# Allegro board FH8858v310_app_board_v1.1.brd (continued)
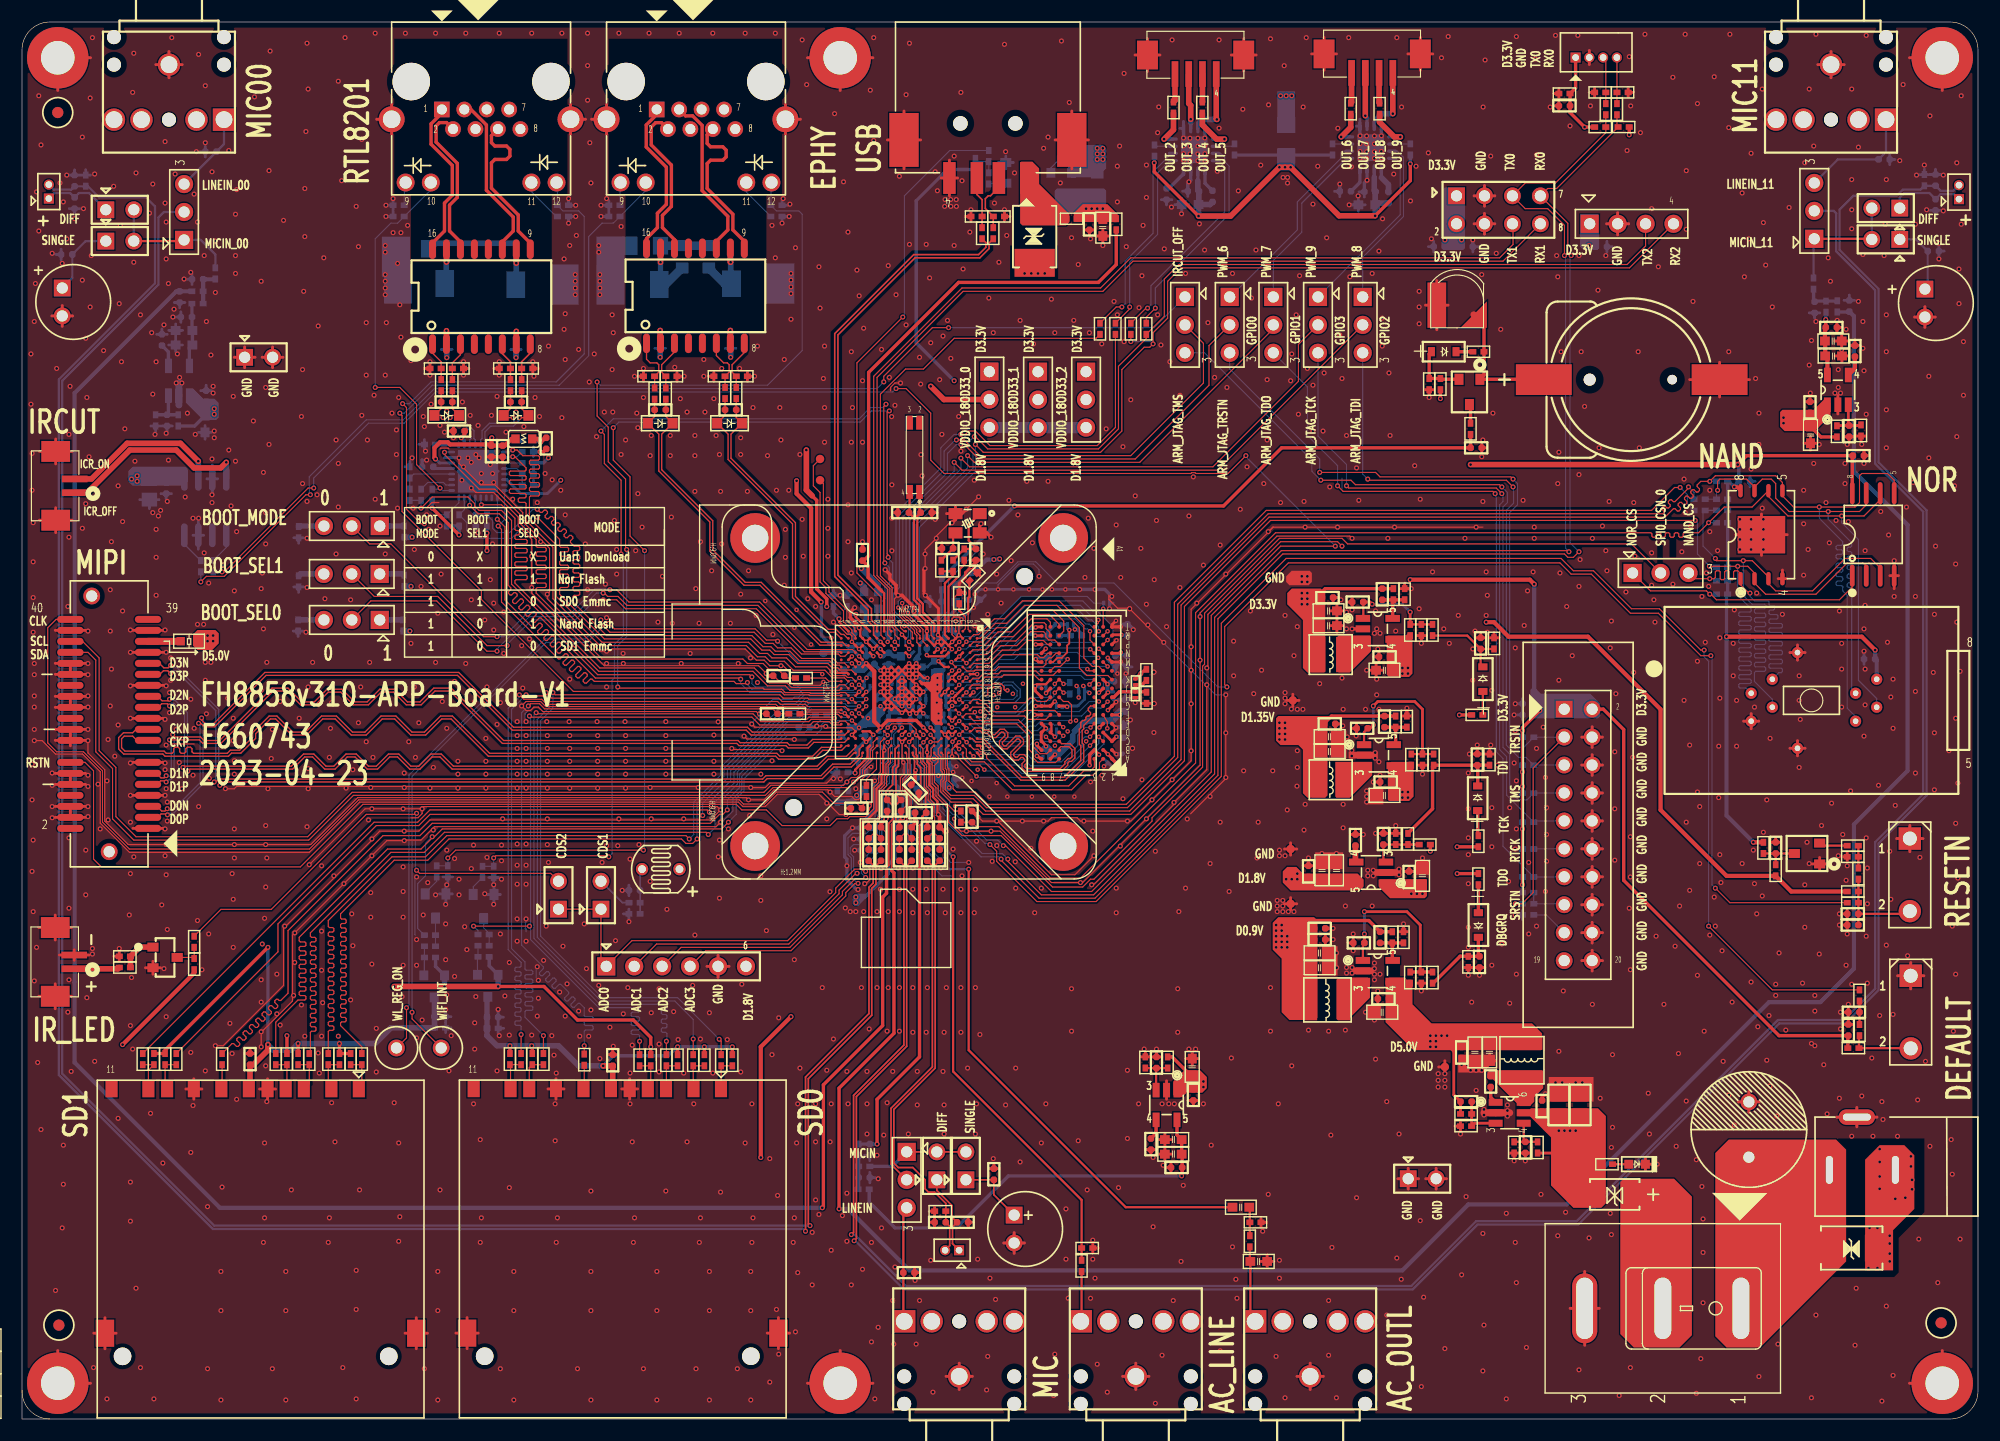
[diagram p0: board, top side]
## Routing (per net, layer and track width the routed paths; a pad name or vN(x,y) marks a point on that pad's centre or on a via; arc(x,y) is an arc through that point) (continued)
HOLD: length 40.9
  TOP w0.102: 157.48,84.73 157.48,84.74 158.19,85.45 159,85.45 159.41,85.04 159.41,83.72 160.63,82.5 v2(164.19,82.5) 167.03,82.5 167.64,83.11 U9.7 ; 157.48,84.73 156.77,85.45 154.33,85.45 154.13,85.24 v2(154.13,84.43) ; 157.48,84.73 U10.7
  BOTTOM w0.102: v2(154.13,84.43) 154.03,84.33 R54.1 R51.1 ; v2(164.19,82.5) 164.19,81.79 166.32,79.65 166.32,79.36 166.22,79.26 166.01,79.26 165.91,79.16 165.91,78.96 166.01,78.85 166.22,78.85 166.32,78.75 166.32,78.55 166.22,78.45 166.01,78.45 165.91,78.35 165.91,78.14 166.01,78.04 166.22,78.04 166.32,77.94 166.32,77.74 166.22,77.64 166.01,77.64 165.91,77.53 165.91,77.33 166.01,77.23 166.22,77.23 166.32,77.13 166.32,76.92 166.22,76.82 166.01,76.82 165.91,76.72 165.91,76.52 166.01,76.42 166.22,76.42 166.32,76.31 166.32,76.11 166.22,76.01 166.01,76.01 165.91,75.91 165.91,75.71 166.01,75.6 166.22,75.6 166.32,75.5 166.32,66.33 U14.7
IR_LED_IN: length 4.1
  TOP w0.508: J13.1 8.73,40.93 R133.2
IRCUT_OFF: length 102.5
  TOP w0.102: v2(16.25,76.1) 16.76,76.61 18.39,76.61 25.81,84.02 v2(26.21,84.02) ; v2(78.33,94.28) 78.33,94.79 82.75,99.21 v2(84.23,99.21)
  BOTTOM w0.102: R144.2 v2(16.25,76.1) ; v2(78.33,94.28) 77.72,93.68 37.49,93.68 34.65,90.83 31.29,90.83 26.11,85.65 26.11,84.12 v2(26.21,84.02) ; JP10.1 102.92,99.21 v2(84.23,99.21)
IRCUT_ON: length 187.1
  TOP w0.102: v2(89.2,52.12) 89.41,52.12 93.57,47.96 97.23,47.96 108.1,58.83 108.1,73.05 114.4,79.35 v2(119.38,79.35) ; U6.G16 v1(82.59,62.2) ; v2(26.52,84.63) 26.01,84.63 18.39,77.02 v2(18.18,77.02) ; v2(111.25,87.58) 109.63,85.95 106.71,85.95 106.63,86.03 106.32,86.03 106.24,85.95 83.82,85.95 82.6,87.17 82.6,91.44 80.37,93.68 v2(79.45,93.68)
  BOTTOM w0.102: v2(89.2,52.12) 88.7,52.63 87.68,52.63 85.04,55.27 84.73,55.27 84.33,55.68 84.33,56.18 82.8,57.71 82.8,59.39 82.45,59.74 82.45,60.25 82.63,60.43 82.63,61.05 82.94,61.37 82.94,61.74 82.59,62.09 v1(82.59,62.2) ; v2(119.38,79.35) 111.25,87.48 v2(111.25,87.58) ; v2(26.52,84.63) 26.52,85.55 31.5,90.53 34.75,90.53 37.59,93.37 79.15,93.37 v2(79.45,93.68) ; R145.2 v2(18.18,77.02)
IRCUT_OUT_OFF: length 17.8
  TOP w0.508: J15.1 5.93,84.21 9.8,88.09 14.02,88.09 15.65,86.46 18.06,86.46 v2(18.57,86.97)
  BOTTOM w0.508: v2(18.57,86.97) U19.4
IRCUT_OUT_ON: length 14.8
  TOP w0.508: J15.2 6.31,85.46 9.55,88.7 14.4,88.7 v2(16.03,87.07)
  BOTTOM w0.508: v2(16.03,87.07) U19.2
JTAG_RTCK: length 2.8
  BOTTOM w0.102: U18.11 137.43,51.83 R139.1
JTAG_SRSTN: length 3.8
  BOTTOM w0.102: R141.1 R143.2 140.1,46.84 U18.15
LDO_MICBIAS: length 37.8
  TOP w0.305: U11.5 104.99,25.82 C110.1 C111.1 105.46,24.03 C112.1 105.46,22.15 v2(105.41,22.1)
  BOTTOM w0.305: R103.2 77.01,19.71 79.35,17.37 84.94,17.37 89.66,22.1 v2(105.41,22.1)
LDO_MICBIAS_00: length 5.8
  BOTTOM w0.305: R115.2 15.45,100.19 C138.1 15.45,99 C136.1 C137.1 15.21,97.36 U13.5
LDO_MICBIAS_11: length 5.8
  TOP w0.305: C125.1 v2(163.96,99.95)
  TOP w0.381: C125.1 163.89,99.16 C124.1 163.91,97.98 C123.1 164.11,96.44 U12.5
  BOTTOM w0.305: v2(163.96,99.95) 163.96,100.59 R109.2
LED0_AD0: length 52.1
  TOP w0.102: v2(34.59,92.3) 34.95,91.95 34.95,82.7 36.27,81.38 v2(36.58,81.38)
  BOTTOM w0.102: v2(36.58,81.38) 37.39,82.19 R197.2 39.7,83.29 U25.24 ; v2(34.59,92.3) 35.2,92.3 37.19,94.28 48.56,94.28 51.1,96.82 51.1,109.32 50.6,109.83 49.17,109.83 D30.K 48.67,112.33 J18.12
LED1_AD1: length 35.9
  TOP w0.102: v2(38,84.63) 35.86,86.77 35.86,92.25 34.34,93.78 v2(32.11,93.78)
  BOTTOM w0.102: v2(32.11,93.78) 32.11,107.29 33.53,108.71 34.14,108.71 D31.K 37.16,111.74 J18.10 ; R198.2 37.89,84.53 v2(38,84.63) 38.22,84.41 U25.25
MAC_MDC: length 53.6
  TOP w0.102: U6.U8 v1(76.11,67.37) ; v2(40.69,83.06) 41.45,82.3 43.38,82.3 44.2,81.48 44.2,75.79 44.43,75.56 44.43,75.41 44.22,75.2 44.22,75.06 44.36,74.91 44.51,74.91 44.72,75.13 44.86,75.13 45.01,74.98 45.01,74.84 44.59,74.42 44.59,74.28 44.74,74.14 44.88,74.14 45.3,74.55 45.44,74.55 45.58,74.41 45.58,74.26 45.17,73.85 45.17,73.7 45.31,73.56 45.46,73.56 45.87,73.98 46.01,73.98 46.16,73.83 46.16,73.69 45.74,73.27 45.74,73.13 45.89,72.99 46.03,72.99 46.45,73.4 46.59,73.4 46.73,73.26 46.73,73.11 46.32,72.7 46.32,72.55 46.46,72.41 46.61,72.41 47.02,72.83 47.16,72.83 52.32,67.67 66.14,67.67 v2(66.34,67.46)
  BOTTOM w0.102: v2(66.34,67.46) 66.34,66.85 66.65,66.55 70.51,66.55 70.61,66.65 74.78,66.65 75.29,67.16 75.9,67.16 v1(76.11,67.37) ; U25.22 40.7,83.07 v2(40.69,83.06)
MAC_MDIO: length 55.7
  TOP w0.102: v2(46.84,81.99) 48.87,79.96 48.87,79.35 48.97,79.25 49.58,79.25 49.68,79.15 49.68,78.94 49.58,78.84 48.97,78.84 48.87,78.74 48.87,78.54 48.97,78.44 49.58,78.44 49.68,78.33 49.68,78.13 49.58,78.03 48.97,78.03 48.87,77.93 48.87,77.72 48.97,77.62 49.58,77.62 49.68,77.52 49.68,77.32 49.58,77.22 48.97,77.22 48.87,77.12 48.87,76.91 48.97,76.81 49.58,76.81 49.68,76.71 49.68,76.51 49.58,76.4 48.97,76.4 48.87,76.3 48.87,76.1 48.97,76 49.58,76 49.68,75.9 49.68,75.69 49.58,75.59 48.97,75.59 48.87,75.49 48.87,74.98 52.93,70.92 66.24,70.92 67.26,69.9 67.97,69.9 68.38,69.49 69.7,69.49 70.51,68.68 73.25,68.68 73.65,68.29 74.15,68.29 74.35,68.09 75.4,68.09 U6.V7
  BOTTOM w0.102: U25.23 40.2,82.67 R190.2 40.44,81.48 40.44,80.77 41.14,80.06 44.5,80.06 46.43,81.99 v2(46.84,81.99)
MAC_REF_CLK: length 52.5
  TOP w0.102: R205.2 69.49,67.36 C179.2 68.68,68.17 67.87,68.17 67.36,68.68 65.94,68.68 65.53,69.09 52.73,69.09 46.74,75.08 46.74,75.49 46.84,75.59 47.55,75.59 47.65,75.69 47.65,75.89 47.55,75.99 46.84,75.99 46.74,76.1 46.74,76.3 46.84,76.4 47.55,76.4 47.65,76.5 47.65,76.7 47.55,76.81 46.84,76.81 46.74,76.91 46.74,77.11 46.84,77.21 47.55,77.21 47.65,77.31 47.65,77.52 47.55,77.62 46.84,77.62 46.74,77.72 46.74,77.92 46.84,78.03 47.55,78.03 47.65,78.13 47.65,78.33 47.55,78.43 46.84,78.43 46.74,78.53 46.74,78.74 46.84,78.84 47.55,78.84 47.65,78.94 47.65,79.14 47.55,79.24 46.84,79.24 46.74,79.35 46.74,79.96 45.31,81.38 45.31,82.19 42.98,84.53 41.55,84.53 38.4,87.68 v2(38.4,87.88)
  BOTTOM w0.102: v2(38.4,87.88) 38.43,87.91 U25.32
MAC_RMII_RXDV: length 2.6
  BOTTOM w0.102: R196.2 43.34,88.95 43.2,88.82 U25.8
MAC_RX_ER: length 5
  BOTTOM w0.102: R194.2 35.25,84.53 R193.2 35.61,85.91 U25.28
MAC_RXD0: length 54.9
  TOP w0.102: U6.V8 75.42,67.41 75.03,67.41 74.86,67.58 73.77,67.58 73.46,67.89 73.46,68.07 73.15,68.38 70.31,68.38 69.49,69.19 68.17,69.19 67.77,69.6 67.06,69.6 66.04,70.61 52.73,70.61 48.56,74.78 48.56,79.45 46.13,81.89 46.13,83.81 46.23,83.91 46.94,83.91 47.04,84.02 47.04,84.22 46.94,84.32 46.23,84.32 46.13,84.42 46.13,84.63 46.23,84.73 46.94,84.73 47.04,84.83 47.04,85.03 46.94,85.13 46.23,85.13 46.13,85.24 46.13,85.44 46.23,85.54 46.94,85.54 47.04,85.64 47.04,85.84 46.94,85.95 46.23,85.95 46.13,86.05 46.13,86.25 46.23,86.35 46.94,86.35 47.04,86.45 47.04,86.66 46.94,86.76 46.23,86.76 46.13,86.86 46.13,87.06 46.23,87.17 46.94,87.17 47.04,87.27 47.04,87.47 46.94,87.57 45.52,87.57 45.01,88.09 v2(44.6,88.09)
  BOTTOM w0.102: v2(44.6,88.09) 44.5,88.09 44.32,87.91 U25.9
MAC_RXD1: length 56
  TOP w0.102: v2(44.6,87.48) 44.81,87.48 45.82,86.46 45.82,86.28 45.72,86.18 44.4,86.18 44.3,86.07 44.3,85.87 44.4,85.77 45.72,85.77 45.82,85.67 45.82,85.46 45.72,85.36 44.4,85.36 44.3,85.26 44.3,85.06 44.4,84.96 45.72,84.96 45.82,84.85 45.82,84.65 45.72,84.55 44.4,84.55 44.3,84.45 44.3,84.24 44.4,84.14 45.72,84.14 45.82,84.04 45.82,83.84 45.72,83.74 45.21,83.74 45.11,83.64 45.11,83.43 45.21,83.33 45.72,83.33 45.82,83.23 45.82,81.69 48.26,79.25 48.26,74.57 52.53,70.31 65.84,70.31 66.85,69.29 67.56,69.29 67.97,68.88 69.29,68.88 70.1,68.07 72.99,68.07 73.68,67.38 74.76,67.38 75.07,67.07 U6.W8
  BOTTOM w0.102: R192.2 45.01,87.48 v2(44.6,87.48) 44.3,87.48 44.23,87.41 U25.10
MAC_RXDV: length 51.2
  TOP w0.102: U6.Y9 74.3,66.24 69.8,66.24 69.39,66.65 67.77,66.65 66.45,67.97 52.43,67.97 44.5,75.9 44.5,81.69 43.59,82.6 41.55,82.6 41.15,83.01 41.15,83.21 40.54,83.82 37.29,83.82 v2(36.27,82.8)
  BOTTOM w0.102: v2(36.27,82.8) 36.27,83.51 R195.1 R194.1
MAC_TXD0: length 52.5
  TOP w0.102: v2(65.94,66.95) 65.84,66.85 64.92,66.85 64.72,67.06 52.02,67.06 51.81,67.26 51.67,67.26 51.3,66.9 51.16,66.9 51.02,67.04 51.02,67.19 51.38,67.55 51.38,67.7 51.24,67.84 51.09,67.84 50.63,67.37 50.48,67.37 50.34,67.52 50.34,67.66 50.81,68.13 50.81,68.27 50.66,68.41 50.52,68.41 50.05,67.95 49.91,67.95 49.76,68.09 49.76,68.24 50.23,68.7 50.23,68.85 50.09,68.99 49.94,68.99 49.48,68.52 49.33,68.52 49.19,68.67 49.19,68.81 49.65,69.28 49.65,69.42 49.51,69.56 49.37,69.56 48.9,69.1 48.76,69.1 43.59,74.27 43.59,80.87 v2(43.28,81.18) ; v1(75.44,66.75) 75.44,66.75 U6.V9
  BOTTOM w0.102: v2(43.28,81.18) 43.85,81.75 U25.16 ; v2(65.94,66.95) 65.94,66.75 66.34,66.34 70.61,66.34 70.71,66.45 75.13,66.45 v1(75.44,66.75)
MAC_TXD1: length 52
  TOP w0.102: v2(43.2,81.79) 43.21,81.79 43.89,81.11 43.89,74.47 46.44,71.92 46.58,71.92 47,72.34 47.14,72.34 47.29,72.2 47.29,72.05 46.87,71.64 46.87,71.49 47.01,71.35 47.16,71.35 47.57,71.76 47.72,71.76 47.86,71.62 47.86,71.48 47.45,71.06 47.45,70.92 47.59,70.77 47.73,70.77 48.15,71.19 48.29,71.19 48.44,71.05 48.44,70.9 48.02,70.49 48.02,70.34 48.16,70.2 48.31,70.2 48.72,70.61 48.87,70.61 49.01,70.47 49.01,70.33 48.6,69.91 48.6,69.77 48.74,69.62 48.88,69.62 49.3,70.04 49.44,70.04 52.12,67.36 65.23,67.36 v2(65.33,67.26) ; U6.U9 v1(76.09,66.75)
  BOTTOM w0.102: v2(43.2,81.79) U25.17 ; v1(76.09,66.75) 75.58,66.24 70.92,66.24 70.71,66.04 66.14,66.04 65.33,66.85 v2(65.33,67.26)
MAC_TXEN: length 55.2
  TOP w0.102: v2(41.76,83.11) 43.59,83.11 44.81,81.89 44.81,80.87 44.91,80.77 45.11,80.77 45.21,80.67 45.21,80.47 45.11,80.37 44.91,80.37 44.81,80.26 44.81,80.06 44.91,79.96 45.82,79.96 45.92,79.86 45.92,79.65 45.82,79.55 44.91,79.55 44.81,79.45 44.81,79.25 44.91,79.15 45.82,79.15 45.92,79.04 45.92,78.84 45.82,78.74 44.91,78.74 44.81,78.64 44.81,78.44 44.91,78.33 45.82,78.33 45.92,78.23 45.92,78.03 45.82,77.93 44.91,77.93 44.81,77.83 44.81,77.62 44.91,77.52 45.82,77.52 45.92,77.42 45.92,77.22 45.82,77.11 44.91,77.11 44.81,77.01 44.81,76.81 44.91,76.71 45.82,76.71 45.92,76.61 45.92,76.4 45.82,76.3 44.91,76.3 44.81,76.2 44.81,76 52.53,68.28 66.57,68.28 67.93,66.91 69.54,66.91 69.95,66.5 74.05,66.5 74.3,66.75 74.78,66.75 U6.W9
  BOTTOM w0.102: U25.20 41.7,83.16 v2(41.76,83.11)
MDI_RN: length 8.4
  TOP w0.114: v2(45.21,91.03) 45.83,91.03 D34.K 45.42,91.85 C198.2 45.42,92.46 R187.2
  BOTTOM w0.114: v2(45.21,91.03) 45.21,90.8 44.67,90.26 42.61,90.26 42.09,89.74 42.09,89.13 42.2,89.02 U25.6
MDI_RP: length 8.5
  TOP w0.114: R185.2 44.4,92.46 C198.1 44.4,91.85 D34.A 43.99,91.03 v2(44.65,91.03)
  BOTTOM w0.114: U25.5 41.7,89.02 41.82,89.13 41.82,89.85 42.5,90.53 44.56,90.53 44.76,90.73 44.76,90.92 v2(44.65,91.03)
MDI_TN: length 7.8
  TOP w0.114: v2(38.92,91.04) 39.12,91.24 D11.K 39.12,91.85 C197.2 39.12,92.46 R184.2
  BOTTOM w0.114: v2(38.92,91.04) 38.76,90.88 38.76,90.68 38.9,90.54 40.39,90.54 41.09,89.85 41.09,89.13 41.2,89.02 U25.4
MDI_TP: length 7.8
  TOP w0.114: v2(38.27,91.04) 38.07,91.24 D11.A 38.1,91.85 C197.1 38.1,92.46 R182.2
  BOTTOM w0.114: U25.3 40.7,89.02 40.82,89.13 40.82,89.74 40.28,90.27 38.79,90.27 38.47,90.59 38.47,90.84 v2(38.27,91.04)
MIPI_CKN: length 77.9
  TOP w0.114: J3.19 10.37,62.7 10.06,62.38 9.22,62.38 8.78,61.95 8.78,60.91 8.94,60.76 9.25,60.45 12.8,60.45 13,60.25 18.77,60.25 19.05,60.53 19.89,60.53 21.23,61.87 21.23,62.3 22.58,63.64 23.06,63.64 24.52,62.18 25.87,62.18 27.33,63.64 28.47,63.64 29.93,62.18 31.28,62.18 32.74,63.64 33.88,63.64 35.34,62.18 36.69,62.18 38.15,63.64 39.01,63.64 42.4,60.25 68.51,60.25 68.77,59.98 71.97,59.98 72.78,60.79 74.51,60.79 74.93,61.22 U6.W17
MIPI_CKP: length 77.9
  TOP w0.114: J3.17 10.44,61.7 10.06,62.08 9.29,62.08 9.05,61.84 9.05,61.02 9.36,60.72 12.91,60.72 13.12,60.52 13.64,60.52 13.78,60.66 13.78,60.93 13.92,61.07 14.2,61.07 14.34,60.93 14.34,60.66 14.48,60.52 14.75,60.52 14.89,60.66 14.89,60.93 15.03,61.07 15.31,61.07 15.45,60.93 15.45,60.66 15.59,60.52 18.66,60.52 18.94,60.8 19.78,60.8 20.97,61.98 20.97,62.41 22.47,63.91 23.17,63.91 24.63,62.45 25.76,62.45 27.22,63.91 28.58,63.91 30.04,62.45 31.17,62.45 32.63,63.91 33.99,63.91 35.45,62.45 36.58,62.45 38.04,63.91 39.12,63.91 42.51,60.52 68.62,60.52 68.89,60.25 71.86,60.25 72.67,61.06 74.4,61.06 74.47,61.13 U6.Y17
MIPI_D0N: length 75.1
  TOP w0.114: J3.5 12.28,55.7 12.7,55.27 12.99,55.27 v2(13.2,55.48) ; U6.W15 74.78,62.18 66.27,62.18 65.83,62.62 44.56,62.62 39.59,67.6 22.19,67.6 17.51,62.93 16.56,62.93 16.24,63.25 v2(16.05,63.25)
  BOTTOM w0.114: v2(16.05,63.25) 16.19,63.11 16.19,57.84 13.68,55.33 13.36,55.33 13.21,55.48 v2(13.2,55.48)
MIPI_D0P: length 75.1
  TOP w0.114: J3.3 12.33,54.7 12.64,55 13.14,55 v2(13.22,54.92) ; U6.Y15 74.4,62.45 66.38,62.45 65.94,62.89 44.67,62.89 39.7,67.87 22.08,67.87 17.4,63.2 16.67,63.2 16.32,63.54 v2(16.32,63.73)
  BOTTOM w0.114: v2(16.32,63.73) 16.32,63.64 16.45,63.51 16.45,63.35 16.45,57.73 13.79,55.07 13.36,55.07 13.22,54.93 v2(13.22,54.92)
MIPI_D1N: length 74.9
  TOP w0.114: v2(13.41,61.74) 16.12,61.74 16.44,61.42 18.08,61.42 22.84,66.18 24.07,66.18 25.33,64.92 26.68,64.92 27.84,66.08 28.97,66.08 30.13,64.92 31.48,64.92 32.64,66.08 33.77,66.08 34.93,64.92 36.28,64.92 37.54,66.18 38.9,66.18 43.67,61.42 64.97,61.42 65.18,61.21 69.44,61.21 69.65,61.01 71.47,61.01 71.98,61.51 74.77,61.51 U6.W16 ; v2(13.11,58.48) 12.91,58.28 12.63,58.28 12.22,58.7 J3.11
  BOTTOM w0.114: v2(13.11,58.48) 13.18,58.41 13.38,58.41 13.56,58.59 13.56,61.58 v2(13.41,61.74)
MIPI_D1P: length 74.9
  TOP w0.114: v2(13.11,57.91) 13,58.02 12.6,58.02 12.28,57.7 J3.9 ; U6.Y16 74.39,61.78 71.87,61.78 71.36,61.27 69.76,61.27 69.55,61.48 65.29,61.48 65.08,61.68 43.78,61.68 39.01,66.45 37.43,66.45 36.17,65.19 35.04,65.19 33.88,66.34 32.53,66.34 31.37,65.19 30.24,65.19 29.08,66.34 27.73,66.34 26.57,65.19 25.44,65.19 24.18,66.45 22.73,66.45 17.96,61.68 16.55,61.68 16.23,62 13.9,62 13.7,62.2 v2(13.7,62.22)
  BOTTOM w0.114: v2(13.11,57.91) 13.11,57.92 13.3,58.11 13.52,58.11 13.83,58.42 13.83,62.07 13.7,62.2 v2(13.7,62.22)
MIPI_D2N: length 74.7
  TOP w0.114: J3.25 12.33,65.7 12.74,65.29 13.27,65.29 v2(13.41,65.43) ; U6.V18 75.64,60.57 75.06,59.98 73.29,59.98 72.39,59.08 39.1,59.08 38,60.19 37.28,60.19 36.18,59.08 35.24,59.08 34.14,60.19 33.42,60.19 32.32,59.08 31.38,59.08 30.28,60.19 29.56,60.19 28.46,59.08 27.52,59.08 26.42,60.19 25.7,60.19 24.6,59.08 15.26,59.08 v2(15.08,58.9)
  BOTTOM w0.114: v2(15.08,58.9) 15.04,58.94 15.04,64.21 13.92,65.33 13.51,65.33 v2(13.41,65.43)
MIPI_D2P: length 74.7
  TOP w0.114: v2(13.41,64.82) 13.21,65.02 12.7,65.02 12.37,64.7 J3.23 ; U6.V17 75.77,61.07 74.95,60.25 73.18,60.25 72.28,59.35 39.21,59.35 38.11,60.45 37.17,60.45 36.07,59.35 35.35,59.35 34.25,60.45 33.31,60.45 32.21,59.35 31.49,59.35 30.39,60.45 29.45,60.45 28.35,59.35 27.63,59.35 26.53,60.45 25.59,60.45 24.49,59.35 14.74,59.35 v2(14.63,59.23)
  BOTTOM w0.114: v2(13.41,64.82) 13.41,64.87 13.6,65.06 13.81,65.06 14.77,64.1 14.77,59.37 v2(14.63,59.23)
MIPI_D3N: length 75.2
  TOP w0.114: v2(17.98,57.61) 17.98,57.71 18.19,57.91 67.43,57.91 67.74,58.22 72.75,58.22 73.8,59.27 75.4,59.27 76.37,60.24 76.37,60.51 U6.U18 ; v2(13.51,68.52) 13.28,68.29 12.89,68.29 12.48,68.7 J3.31
  BOTTOM w0.114: v2(13.51,68.52) 13.73,68.3 14.09,68.3 17.88,64.52 17.88,57.71 v2(17.98,57.61)
MIPI_D3P: length 75.2
  TOP w0.114: U6.U17 76.1,60.89 76.1,60.35 75.29,59.54 73.69,59.54 72.64,58.48 67.63,58.48 67.32,58.18 18.05,58.18 17.88,58.01 17.57,58.01 v2(17.48,57.91) ; J3.29 12.53,67.7 12.85,68.02 13.25,68.02 v2(13.51,67.76)
  BOTTOM w0.114: v2(17.48,57.91) 17.61,58.05 17.61,64.41 13.98,68.04 13.79,68.04 v2(13.51,67.76)
MIPI_D5.0V: length 3
  TOP w0.635: R50.2 14.41,70.7 J3.35
MOTO_OUT_2: length 3.5
  TOP w0.508: v2(103.81,116.35) 104.67,117.21 R150.1
  BOTTOM w0.305: U26.16 v2(103.81,116.35)
MOTO_OUT_3: length 5
  TOP w0.508: v2(106.24,118.16) 106.24,119.42 106.05,119.6 J19.2
  BOTTOM w0.305: 106.24,117.86 U26.2
  BOTTOM w0.508: v2(106.24,118.16) 106.24,117.86
MOTO_OUT_4: length 4.4
  TOP w0.508: v2(109.3,116.35) 108.59,116.35 107.29,117.65 R151.1
  BOTTOM w0.305: U26.5 v2(109.3,116.35)
MOTO_OUT_5: length 6.5
  TOP w0.508: J19.4 108.56,118.2 v2(108.61,118.14)
  BOTTOM w0.305: 107.17,118.14 106.89,117.86 U26.3
  BOTTOM w0.508: v2(108.61,118.14) 107.17,118.14
MOTO_OUT_6: length 3.2
  TOP w0.508: R152.1 120.78,117.43 v2(119.91,116.56)
  BOTTOM w0.305: U27.16 v2(119.91,116.56)
MOTO_OUT_7: length 4.9
  TOP w0.508: J20.2 v2(122.11,118.48)
  BOTTOM w0.305: v2(122.11,118.48) 122.27,118.32 U27.2
MOTO_OUT_8: length 3.9
  TOP w0.508: v2(125.29,116.56) 124.74,116.56 123.4,117.9 R153.1
  BOTTOM w0.305: U27.5 v2(125.29,116.56)
MOTO_OUT_9: length 6.1
  TOP w0.508: J20.4 v2(124.61,118.67)
  BOTTOM w0.305: U27.3 122.92,117.94 123.23,118.25
  BOTTOM w0.508: 123.23,118.25 123.65,118.67 v2(124.61,118.67)
NAND_CS: length 35.3
  TOP w0.102: JP14.3 152,76.39 v2(153.42,76.39) 153.81,76.39 153.92,76.5 153.92,77.01 154.03,77.11 154.26,77.11 154.37,77.01 154.37,76.4 154.47,76.3 154.67,76.3 154.77,76.4 154.77,77.01 154.87,77.11 155.08,77.11 155.18,77.01 155.18,76.4 155.28,76.3 155.48,76.3 155.58,76.4 155.58,77.01 155.69,77.11 155.96,77.11 156.21,76.86 U10.1 156.21,75.84 156.97,75.08 v2(157.07,75.08)
  BOTTOM w0.102: U14.1 159.7,67.85 159.92,67.85 160.02,67.95 160.02,68.15 159.92,68.25 158.9,68.25 158.8,68.36 158.8,68.56 158.9,68.66 159.92,68.66 160.02,68.76 160.02,68.97 159.92,69.07 158.9,69.07 158.8,69.17 158.8,69.37 158.9,69.47 159.92,69.47 160.02,69.57 160.02,69.78 159.92,69.88 158.9,69.88 158.8,69.98 158.8,70.18 158.9,70.29 159.92,70.29 160.02,70.39 160.02,70.59 159.92,70.69 158.9,70.69 158.8,70.79 158.8,71 158.9,71.1 159.92,71.1 160.02,71.2 160.02,71.4 159.92,71.51 158.9,71.51 158.8,71.61 158.8,71.81 158.9,71.91 159.92,71.91 160.02,72.01 160.02,72.22 159.92,72.32 158.9,72.32 158.8,72.42 158.8,72.62 158.9,72.72 159.51,72.72 159.61,72.83 159.61,73.03 159.51,73.13 158.9,73.13 158.8,73.23 158.8,73.44 158.9,73.54 159.21,73.54 159.31,73.64 159.31,73.84 159.21,73.94 158.9,73.94 158.8,74.05 158.8,74.27 158.7,74.37 157.48,74.37 157.07,74.78 v2(157.07,75.08) ; v2(153.42,76.39) 153.83,76.39 R59.2
NOR_CS: length 23.1
  TOP w0.102: U9.1 166.37,75.64 165.2,74.47 154.03,74.47 153.52,74.98 v2(153.42,74.98) 153.12,75.29 148.03,75.29 JP14.1
  BOTTOM w0.102: R52.2 v2(153.42,74.98)
PHY_RESET: length 55.5
  TOP w0.102: U6.Y6 74.31,68.53 73.81,68.53 73.41,68.94 70.66,68.94 69.8,69.8 68.48,69.8 68.07,70.21 67.36,70.21 66.34,71.22 53.14,71.22 50.09,74.27 50.09,74.78 50.19,74.88 50.6,74.88 50.7,74.98 50.7,75.18 50.6,75.29 50.19,75.29 50.09,75.39 50.09,75.59 50.19,75.69 50.6,75.69 50.7,75.79 50.7,76 50.6,76.1 50.19,76.1 50.09,76.2 50.09,76.4 50.19,76.5 50.6,76.5 50.7,76.61 50.7,76.81 50.6,76.91 50.19,76.91 50.09,77.01 50.09,77.22 50.19,77.32 50.6,77.32 50.7,77.42 50.7,77.62 50.6,77.72 50.19,77.72 50.09,77.83 50.09,78.03 50.19,78.13 50.6,78.13 50.7,78.23 50.7,78.44 50.6,78.54 50.19,78.54 50.09,78.64 50.09,78.84 50.19,78.94 50.6,78.94 50.7,79.04 50.7,79.25 50.6,79.35 50.19,79.35 49.85,79.69 49.85,79.83 50.07,80.04 50.07,80.19 49.92,80.33 49.78,80.33 49.57,80.12 49.42,80.12 49.28,80.26 49.28,80.41 49.49,80.62 49.49,80.76 49.35,80.9 49.2,80.9 48.99,80.69 48.85,80.69 48.7,80.84 48.7,80.98 48.92,81.19 48.92,81.34 48.77,81.48 48.63,81.48 48.42,81.27 48.27,81.27 48.13,81.41 48.13,81.56 48.34,81.77 48.34,81.91 48.2,82.05 48.05,82.05 47.84,81.84 47.7,81.84 47.55,81.99 47.55,82.13 47.77,82.34 47.77,82.49 47.62,82.63 47.48,82.63 47.27,82.42 47.12,82.42 v2(46.84,82.7)
  BOTTOM w0.102: U25.21 41.2,82.24 C176.2 41.25,82.19 R202.2 42.77,81.69 42.77,80.98 43.17,80.58 44.31,80.58 46.43,82.7 v2(46.84,82.7)
PHY_RN: length 15.3
  TOP w0.305: U24.9 46.2,106.91 45.11,108 45.11,109.46 42.67,111.9 42.67,114.2 42.98,114.51 44.04,114.51 44.35,114.81 44.35,115.42 44.04,115.72 42.98,115.72 42.67,116.03 42.67,116.68 J18.6
PHY_RN_16425661: length 15.2
  TOP w0.305: U23.9 65.66,107.06 64.62,108.1 64.62,109.52 62.28,111.86 62.28,114.13 62.59,114.43 63.7,114.43 64.01,114.74 64.01,115.35 63.7,115.65 62.59,115.65 62.28,115.96 62.28,116.75 J17.6
PHY_RP: length 15.3
  TOP w0.305: U24.11 43.66,107.01 44.65,108 44.65,109.27 42.21,111.71 42.21,117.64 40.81,119.05 J18.3
PHY_RP_16425661: length 15.3
  TOP w0.305: J17.3 60.32,118.47 60.96,118.47 61.82,117.6 61.82,111.67 64.16,109.34 64.16,108.1 63.12,107.06 U23.11
PHY_TN: length 14.6
  TOP w0.305: J18.2 38.59,117.86 37.95,117.86 37.64,117.55 37.64,116.08 39.57,114.15 39.57,111.06 38.86,110.35 38.86,108 39.85,107.01 U24.14
PHY_TN_16425661: length 14.5
  TOP w0.305: U23.14 59.31,107.21 58.22,108.31 58.22,109.42 59.03,110.24 59.03,114 57.2,115.82 57.2,117.45 57.6,117.85 58.13,117.85 J17.2
PHY_TP: length 14.7
  TOP w0.305: J18.1 38.16,118.72 37.19,117.74 37.19,115.89 39.12,113.96 39.12,111.25 38.4,110.54 38.4,108 37.31,106.91 U24.16
PHY_TP_16425661: length 14.5
  TOP w0.305: U23.16 56.77,107.31 57.76,108.31 57.76,109.61 58.57,110.43 58.57,113.81 56.74,115.63 56.74,117.64 57.69,118.59 J17.1
PWM_2: length 18.5
  TOP w0.102: v2(99.97,101.09) 99.46,101.09 R154.1
  BOTTOM w0.102: U26.14 104.49,115.05 102.82,113.39 102.82,107.8 100.28,105.26 100.28,101.4 v2(99.97,101.09)
PWM_3: length 17.1
  TOP w0.102: v2(100.69,101.09) 100.69,100.91 R155.1
  BOTTOM w0.102: U26.13 104.34,114.4 103.23,113.28 103.23,107.7 100.69,105.16 v2(100.69,101.09)
PWM_4: length 19.3
  TOP w0.102: R156.1 102.2,100.16 v2(103.02,100.99)
  BOTTOM w0.102: v2(103.02,100.99) 103.02,102.82 109.73,109.52 109.73,113.89 109.32,114.3 109.32,114.71 108.98,115.05 U26.7
PWM_5: length 18.9
  TOP w0.102: v2(102.31,100.99) 102.16,100.99 R212.1
  BOTTOM w0.102: U26.8 108.71,114.4 109.32,113.79 109.32,109.73 102.62,103.02 102.62,101.3 v2(102.31,100.99)
PWM_6: length 18.1
  BOTTOM w0.102: JP11.1 109.83,102.01 115.93,108.1 115.93,110.64 119.89,114.6 119.89,115.11 120.03,115.26 U27.14
PWM_7: length 15.6
  BOTTOM w0.102: JP12.1 113.74,105.31 116.33,107.9 116.33,110.54 120.4,114.61 U27.13
PWM_8: length 15.5
  BOTTOM w0.102: U27.7 125.03,115.26 125.58,114.71 125.58,109.32 121.87,105.61 JP7.1
PWM_9: length 16.2
  BOTTOM w0.102: U27.8 124.87,114.61 125.27,114.2 125.27,109.47 JP9.1
RESETN: length 122.9
  TOP w0.102: v2(153.52,69.39) 152.6,69.39 148.74,73.25 146.2,73.25 142.65,76.81 140.82,76.81 139.8,77.83 115.11,77.83 109.32,72.03 109.32,66.75 v2(109.52,66.55) ; v1(84.89,72.54) 84.89,72.54 84.87,72.53 U6.D1 ; v2(153.92,48.26) 155.25,46.94 R172.2
  BOTTOM w0.102: v2(153.52,69.39) 153.62,69.29 153.62,48.56 v2(153.92,48.26) ; v1(84.89,72.54) 84.89,72.69 86.06,73.86 C190.2 86.11,74.52 86.11,75.23 86.87,76 88.6,76 90.53,77.93 92.15,77.93 94.08,76 99.26,76 108.71,66.55 v2(109.52,66.55)
RMII_CLK_CTL: length 2.8
  BOTTOM w0.102: R199.2 R200.2 44.97,86.41 U25.12
RMII_INT: length 1.6
  BOTTOM w0.102: U25.11 45.45,86.91 R201.2
RTC_VBAT: length 54.2
  TOP w0.305: R61.1 131.68,89.5 C102.1 114.5,88.29 109.22,83.01 v2(90.22,83.01)
  BOTTOM w0.305: v2(90.22,83.01) 90.22,83.01 R37.1
RTC_XIN: length 13.5
  TOP w0.203: U6.G1 82.92,72.31 81.89,73.34 81.89,74.09 81.38,74.6 81.38,82.1 C79.2 81.58,82.5 U8.1
RTC_XOUT: length 14.3
  TOP w0.102: 82.62,72.12 82.64,72.1 82.64,71.25 U6.G2
  TOP w0.203: 82.62,72.12 81.58,73.15 81.58,73.96 81.08,74.47 81.08,81.94 C81.2 80.68,82.46 U8.4
SD0_3.3V: length 34.3
  TOP w0.305: R82.1 v2(59.59,33.83) ; R64.1 v2(62.03,33.83) ; R65.1 v2(64.57,33.83) ; R67.1 46.38,33.88 v2(46.33,33.93) ; R66.1 v2(44.35,33.93)
  TOP w0.508: J4.6 53.7,30.17 C103.1 52.83,32.11 v2(52.83,32.11)
  BOTTOM w0.305: v2(64.57,33.83) v2(62.03,33.83) v2(59.59,33.83) 59.54,33.83 58.72,33.02 53.75,33.02 v2(52.83,32.11)
  BOTTOM w0.508: MQ1.3 42.27,38.3 C104.1 R74.2 42.27,34.85 43.18,33.93 v2(44.35,33.93) v2(46.33,33.93) 48.77,33.93 50.6,32.11 v2(52.83,32.11)
SD0_CD: length 76
  TOP w0.102: R77.1 v2(56.14,34.34) ; v2(46.13,63.91) 46.23,63.8 66.34,63.8 67.06,63.09 71.63,63.09 71.93,63.4 73.37,63.4 73.68,63.09 74.4,63.09 U6.Y14 ; v2(46.13,44.81) v2(41.05,44.81)
  BOTTOM w0.102: v2(41.05,44.81) 41.45,44.4 R75.1 ; v2(56.14,34.34) 56.14,34.85 56.03,34.95 55.47,34.95 55.37,35.05 55.37,35.26 55.47,35.36 56.03,35.36 56.14,35.46 56.14,35.66 56.03,35.77 55.47,35.77 55.37,35.87 55.37,36.07 55.47,36.17 56.03,36.17 56.14,36.27 56.14,36.48 56.03,36.58 55.47,36.58 55.37,36.68 55.37,36.88 55.47,36.99 56.03,36.99 56.14,37.09 56.14,37.29 56.03,37.39 52.43,37.39 46.23,43.59 46.23,44.7 v2(46.13,44.81) 46.23,44.91 46.23,63.8 v2(46.13,63.91)
SD0_CLK: length 67.1
  TOP w0.102: R204.1 C178.1 68.23,64.56 47.5,64.56 47.04,65.02 46.23,65.02 v2(46.02,64.82) ; R72.1 v2(51.11,33.93)
  BOTTOM w0.102: v2(46.02,64.82) 45.42,64.21 45.42,43.08 47.4,41.1 47.4,40.95 47.03,40.59 47.03,40.45 47.18,40.3 47.32,40.3 47.68,40.67 47.83,40.67 47.97,40.52 47.97,40.38 47.61,40.02 47.61,39.87 47.75,39.73 47.89,39.73 48.26,40.09 48.4,40.09 48.55,39.95 48.55,39.8 48.18,39.44 48.18,39.3 48.33,39.15 48.47,39.15 48.83,39.52 48.98,39.52 49.7,38.8 49.7,38.65 49.33,38.29 49.33,38.15 49.48,38 49.62,38 49.98,38.37 50.13,38.37 50.27,38.22 50.27,38.08 49.91,37.71 49.91,37.57 50.05,37.43 50.19,37.43 50.56,37.79 50.7,37.79 51.11,37.39 51.11,36.68 51.21,36.58 51.82,36.58 51.92,36.48 51.92,36.28 51.82,36.17 51.21,36.17 51.11,36.07 51.11,35.87 51.21,35.77 51.82,35.77 51.92,35.67 51.92,35.46 51.82,35.36 51.21,35.36 51.11,35.26 v2(51.11,33.93)
